# KiCad board mainboard_1.kicad_pcb (continued)
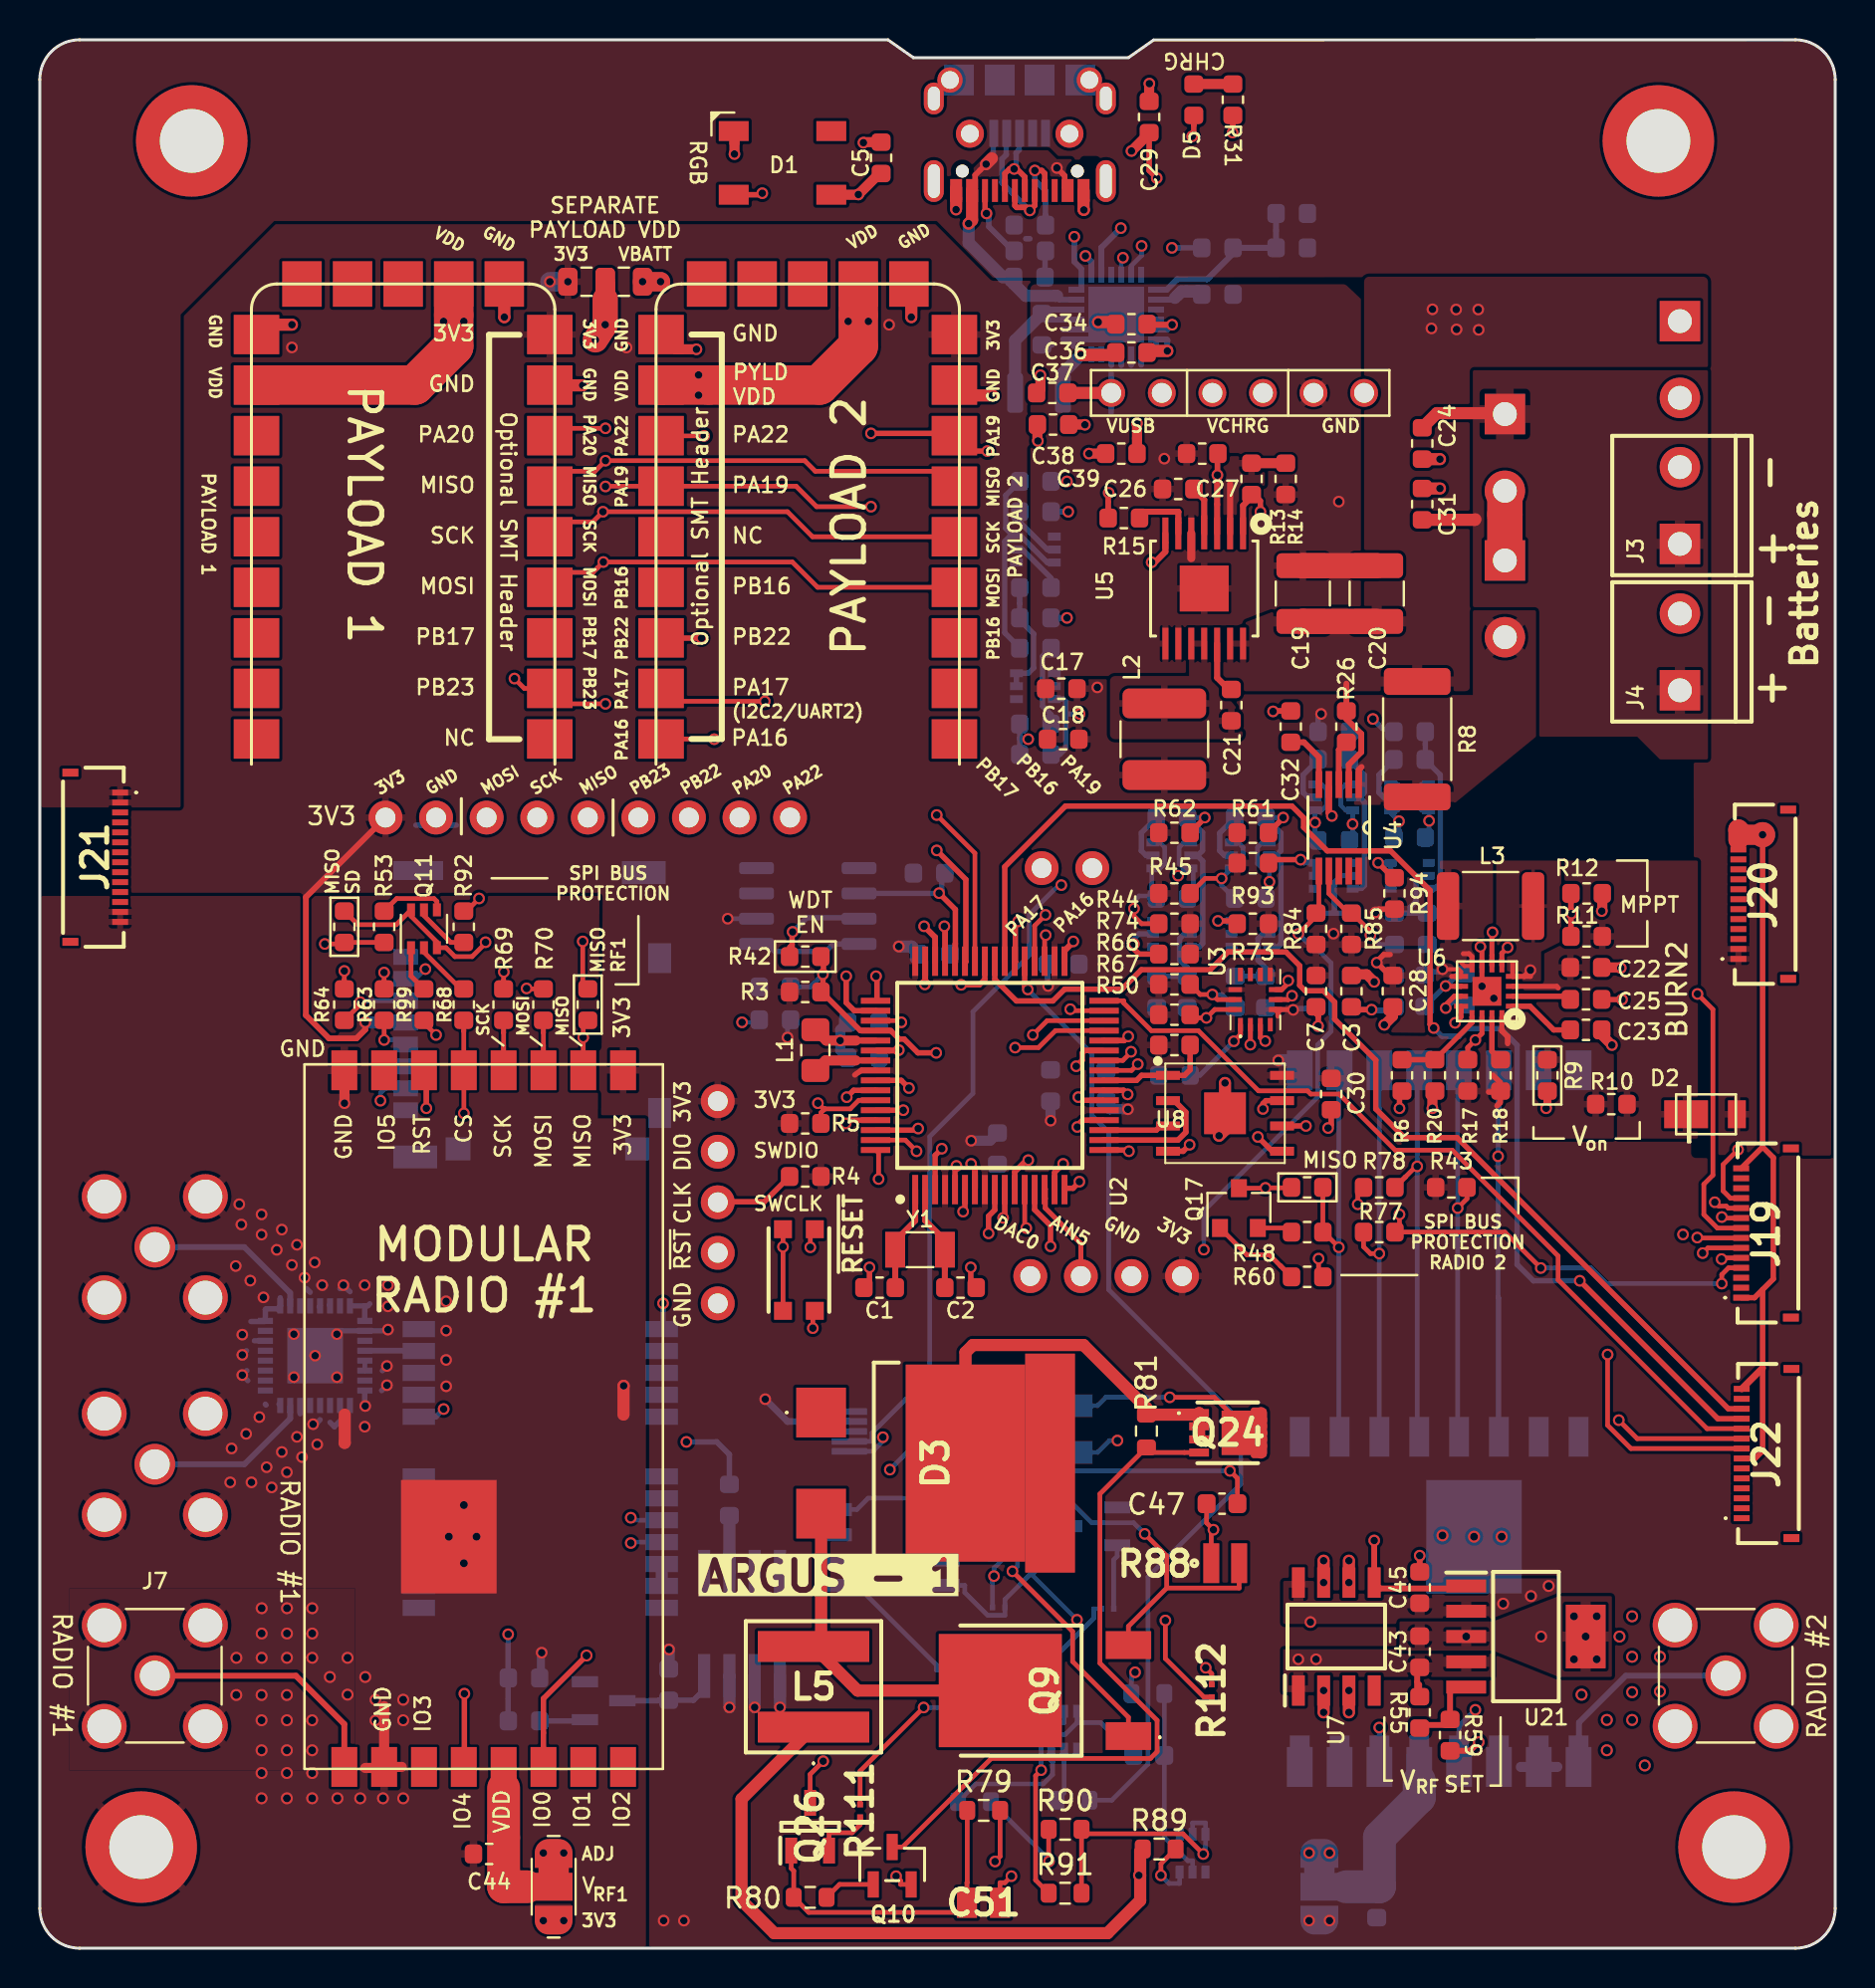
[diagram p0: board, top side]
## Routing (per net, layer and track width the routed paths; a pad name or vN(x,y) marks a point on that pad's centre or on a via; arc(x,y) is an arc through that point) (continued)
  Bottom w0.235: Q15.4 65.59,58.47 65.35,58.23 65.35,57.41 65.59,57.17 65.94,57.17 65.94,56.49 v1(65.93,56.48) 65.93,55.82 65.85,55.74 ; v1(55.34,85.53) 55.34,85.05 54.81,84.53 U17.5 ; R95.1 63.92,50.43 ; 63.92,50.43 64.85,49.5 64.85,46.07 64.18,45.39 64.18,42.76 58.46,37.05 v1(58.46,35.1) ; 63.92,50.43 63.74,50.43 v1(63.21,50.97) ; U18.6 41.83,24.96 42.34,25.48 v1(42.34,25.67) ; 65.85,55.74 R108.1 65.85,55.74
SD_CS: length 33.8
  Top w0.235: v1(22.06,52.74) 21.42,52.11 R92.2 21.29,52.11 ; v1(43.27,46.52) 43.19,46.6 U2.51
  Route15 w0.235: 20.15,49.82 31.97,49.82 v1(35.27,46.52) v1(43.27,46.52) ; 20.15,49.82 19.53,49.19 v1(19.36,49.19) ; 20.15,49.82 20.15,50.84 v1(22.06,52.74)
  Bottom w0.235: v1(19.36,49.19) 18.87,48.7 J1.2 ; v1(35.27,46.52) 36,46.52 36.07,46.58 ; 36.07,46.58 R51.1 36.07,46.58
SDA: length 39.1
  Top w0.235: R44.2 55.33,51.47 54.95,51.85 v1(54.95,52.24) ; 53.38,44.1 U2.25 54.83,44.1 v1(55.14,44.42)
  Route15 w0.235: v1(68.26,56.62) 68.26,56.62 65.78,54.14 61.3,54.14 60.35,53.19 58.95,53.19 57.68,54.46 56.29,54.46 54.95,53.12 v1(54.95,52.24) 56.73,50.46 56.73,46 v1(55.14,44.42)
  Bottom w0.235: 55.84,54.19 55.84,53.1 56.07,52.87 ; 55.84,54.19 Q8.1 56.26,54.25 56.5,54.49 56.5,55.31 56.26,55.55 Q8.3 ; 55.84,54.19 55.84,54.27 ; 68.14,55.97 68.26,56.09 v1(68.26,56.62) 67.85,57.04 67.85,57.17 68.19,57.17 68.43,57.41 68.43,58.23 68.19,58.47 Q16.3 ; 68.14,55.97 68.01,55.84 ; 68.14,55.97 68.01,55.84 ; 68.01,55.84 R109.2 ; 56.07,52.87 55.21,52.87 54.95,52.62 v1(54.95,52.24) ; 56.07,52.87 56.07,52.74 R98.2
SDA_IMU: length 16.2
  Top w0.235: U3.14 59.01,47.16 v1(58.59,46.74) 57.93,46.74 57.85,46.82 ; 57.85,46.82 R67.2 57.85,46.82
  Route15 w0.235: v1(57.17,53.89) 57.17,51.84 57.81,51.2 57.81,47.52 v1(58.59,46.74)
  Bottom w0.235: 57.79,52.89 57.93,53.03 57.93,54.13 Q8.6 57.5,54.25 ; 57.79,52.89 R98.1 57.79,52.89 ; 57.5,54.25 57.46,54.25 57.22,54.49 57.22,55.31 57.46,55.55 Q8.4 ; 57.5,54.25 57.53,54.25 v1(57.17,53.89) ; R76.1 57.65,47.26 58.16,46.74 v1(58.59,46.74)
SDA_PWR: length 109.3
  Top w0.235: U4.7 64.74,52.99 65.72,52.01 R85.2 65.9,52.01 66.83,51.08 v1(66.83,50.9)
  Route2 w0.235: v1(66.83,50.9) 63.62,54.1 62.44,54.1 61.17,55.37 52.41,55.37 51.74,54.7 51.74,53.85 v1(51.3,53.41)
  Route15 w0.235: v1(66.83,50.9) 67.4,50.9 69.77,53.28 v1(69.77,56.64) 69.77,61.29 62.7,68.36 62.7,72.56 60.16,75.1 57.75,75.1 56.98,75.86 54.44,75.86 51.6,78.7 51.6,81.16 54.4,83.96 v1(54.4,84.94)
  Bottom w0.235: U18.7 41.79,25.46 41.79,25.89 44.69,28.79 44.69,40.78 46.86,42.95 46.86,47.06 49.7,49.89 49.7,51.93 51.18,53.41 v1(51.3,53.41) ; v1(54.4,84.94) 54.31,84.85 U17.4 ; 69.77,56.53 v1(69.77,56.64) ; 69.77,56.53 69.77,55.96 69.61,55.79 R109.1 ; 69.77,56.53 69.75,56.5 ; 69.77,56.53 v1(69.77,56.64) ; v1(69.77,56.64) 69.77,57.15 69.75,57.17 69.4,57.17 69.16,57.41 69.16,58.23 69.4,58.47 Q16.4 ; R96.1 67.3,50.43 v1(66.83,50.9)
STAT: length 10.8
  Top w0.235: 57.96,91.6 D5.1
  Top w0.272: v1(57.87,91.03) 57.96,91.12 D5.1
  Route15 w0.272: v1(57.87,91.03) 57.24,91.03 55.54,89.33 55.54,87.67 v1(54.29,86.42)
  Bottom w0.3: v1(54.29,86.42) 53.31,85.44 U17.2
SWCLK: length 18
  Top w0.235: 37.66,38.77 R4.2 ; 42.04,43.6 U2.57 ; J2.3 34.12,37.48
  Top w0.272: v1(43.65,43.22) 43.26,43.6 42.04,43.6 ; 34.12,37.48 34.15,37.5 36.39,37.5 R4.2
  Route15 w0.235: 34.05,37.48 J2.3
  Route15 w0.272: v1(43.65,43.22) 37.91,37.48 J2.3
SWDIO: length 9.3
  Top w0.272: v1(40.53,42.76) 40.87,43.1 U2.58 42.04,43.1
  Route15 w0.235: 34.05,40.02 J2.2
  Route15 w0.272: J2.2 37.79,40.02 v1(40.53,42.76)
THM: length 10.7
  Bottom w0.235: 62.09,86.3 R46.2 ; 61.01,85.43 R35.2
  Bottom w0.3: U17.7 56.6,83.33 57.13,83.86 58.64,83.86 59.93,85.15 R34.2 R35.2 R46.2
TX: length 29.5
  Top w0.235: v1(44.03,40.04) 43.47,40.6 U2.63
  Route15 w0.235: v1(29.68,20.36) 35.27,25.95 35.27,29.5 44.03,38.27 v1(44.03,40.04)
  Bottom w0.235: 31.23,20.4 U14.21 29.72,20.4 v1(29.68,20.36)
USB_CC1: length 5.3
  Top w0.235: 50.47,88.74 50.47,88.74 J13.A5
  Top w0.279: 50.47,88.31 50.47,89.17 50.32,89.32 v1(49.97,89.32)
  Bottom w0.235: 50.51,87.09 R40.2
  Bottom w0.279: R40.2 50.51,88.3 49.97,88.84 v1(49.97,89.32)
USB_CC2: length 4.2
  Top w0.235: 47.47,87.77 47.47,87.77 J13.B5
  Top w0.272: v1(47.54,87.16) 47.47,87.23 47.47,88.31
  Bottom w0.235: R39.2 48.91,85.26
  Bottom w0.279: v1(47.54,87.16) 47.66,87.04 47.66,86.5 48.91,85.26
USB_D+: length 57
  Top w0.235: J13.A6 49.47,88.65 49.47,88.65 ; J13.B6 48.47,88.74 48.47,88.74
  Top w0.279: 48.47,88.31 48.47,89.17 48.7,89.4 v1(48.93,89.4) 49.07,89.4 49.47,89 49.47,88.31
  Top w0.293: v1(44.41,51.35) 44.96,50.79 U2.46 44.96,49.52
  Route15 w0.272: 49.06,89.4 v1(48.93,89.4) 48.93,88.4 49.92,88.4 51.96,86.37 v1(51.96,85.99)
  Route15 w0.293: 48.93,88.4 48.93,86.05 43.61,80.73 43.61,59.43 43.78,59.26 43.78,59.24 45.9,57.12 45.9,52.83 v1(44.41,51.35)
  Bottom w0.235: J11.3 49.19,91.17 49.19,91.06
  Bottom w0.279: 52.28,83.33 U17.24 52.28,83.33 ; 52.28,83.33 52.29,83.32 ; 52.28,83.33 52.31,83.33 52.31,84.38 51.96,84.73 v1(51.96,85.99) ; v1(48.93,89.4) 49.03,89.5 49.03,90.21 49.19,90.36 49.19,91.06
USB_D-: length 56.3
  Top w0.235: 49.97,87.94 49.97,87.94 J13.B7 ; 48.97,87.93 48.97,87.93 J13.A7
  Top w0.279: 48.97,88.31 48.97,87.55 49.06,87.46 49.57,87.46 v1(49.72,87.31) 49.97,87.56 49.97,88.31
  Top w0.293: v1(45.43,51.35) 45.46,51.31 U2.45 45.46,49.52
  Route15 w0.272: v1(52.51,85.03) 50.94,85.03 49.72,86.25 v1(49.72,87.31)
  Route15 w0.293: v1(45.43,51.35) 45.43,50.84 45.55,50.71 46.19,50.71 46.32,50.84 46.32,58.43 46.03,58.71 44.92,58.71 44.03,59.6 44.03,80.56 49.72,86.25
  Bottom w0.235: J11.2 48.54,91.17 48.54,91.1
  Bottom w0.279: 52.64,85.03 v1(52.51,85.03) ; v1(49.72,87.31) 49.43,87.6 48.32,88.71 48.32,89.9 48.54,90.11 48.54,91.1
  Bottom w0.3: v1(52.51,85.03) 52.81,84.73 U17.1
VCHRG: length 21
  Top w0.61: 73.58,77.08 73.53,77.13 70.17,77.13 C24.1 ; C31.1 72.07,71.77 72.1,71.79
  Route15 w0.235: J16.1 73.58,77.08
  Route15 w1.27: J14.4 62.9,79.61 67.38,79.61 69.99,77 73.5,77 73.58,77.08
WDT_WDI: length 10
  Top w0.235: U2.44 45.96,50.45 45.98,50.47
  Top w0.272: v1(45.16,53.01) 45.98,52.19 45.98,49.54 45.96,49.52
  Bottom w0.235: R7.2 45.3,54.01
  Bottom w0.272: 41.11,53 U1.6 45.15,53 v1(45.16,53.01) 45.3,53.15 45.3,54.01
~{CHRG}: length 32.4
  Top w0.235: 72.43,46.37 U6.P$14 ; 48.96,38.18 U2.11
  Top w0.25: U6.P$14 72.43,45.96 v1(72.1,45.63) 71.72,45.25 R17.1
  Top w0.279: v1(49.64,39.59) 49.55,39.59 48.96,39.01 48.96,38.18
  Route15 w0.272: v1(49.64,39.59) 51.28,37.96 58.85,37.96 60.3,39.41 65.97,39.41 67.68,41.12 70,41.12 72.1,43.22 v1(72.1,45.63)
~{RESET}: length 31.7
  Top w0.235: 41.62,46.1 U2.52 42.04,46.1 ; R42.1 39.36,49.82 ; 37.33,35.24 v1(37.32,35.24) 37.33,35.24 ; 37.33,35.24 SW1.A ; 37.33,35.24 SW1.A' ; 39.33,48.46 39.23,48.36 R3.2
  Top w0.272: 41.62,46.1 41.21,46.1 39.33,47.99 v1(39.33,48.93) 39.36,48.96 39.36,49.82 ; 42.04,46.1 42.74,46.1 43.16,45.68 43.41,45.68 44.1,44.99 v1(45.02,44.99)
  Route15 w0.235: 34.05,34.94 J2.4
  Route15 w0.272: v1(45.02,44.99) 45.02,42.94 v1(37.32,35.24) 37.02,34.94 J2.4
  Bottom w0.235: C4.2 38.7,48.3 v1(39.33,48.93) ; 37.33,35.24 v1(37.32,35.24)
Net-(D1-DIN): length 46.2
  Top w0.229: 46.96,49.52 U2.42 46.96,55.02 v1(45.05,56.93)
  Top w0.279: D1.4 36.21,88.1 v1(36.28,88.18)
  Route15 w0.279: v1(45.05,56.93) 42.25,56.93 39.33,59.86 39.33,82.33 36.28,85.38 v1(36.28,88.18)
Net-(D3-A_2): length 17.1
  Top w0.61: D3.3 39.24,15.54 L5.2 41.07,12.94 Q9.2
Net-(D3-K_2): length 20.4
  Top w0.61: 46.49,24.37 46.49,29.93 46.86,30.31 52.42,30.31 55.58,27.15 R81.1 58.15,26.81 Q24.1 Q24.2 Q24.3
Net-(D5-A): length 2
  Top w0.508: D5.2 R31.1 59.92,93.66
Net-(IC1-CS): length 28.2
  Top w0.235: 56.6,18.1 56.6,19.71 v1(55.49,20.82) ; 56.6,18.1 60.23,18.1 R88.2 ; 56.6,18.1 54.67,16.18 Q9.3
  Bottom w0.235: IC1.8 41.03,22.04 41.6,22.61 51.59,22.61 52.83,21.38 54.93,21.38 v1(55.49,20.82)
Net-(IC1-EXT): length 16.8
  Top w0.235: Q9.1 54.67,11.6 51.87,14.41 51.87,15.91 v1(48.85,18.94)
  Bottom w0.235: IC1.1 46.48,22.04 47.72,20.8 48.97,20.8 49.1,20.66 49.1,19.19 v1(48.85,18.94)
Net-(IC1-REF): length 7.6
  Bottom w0.235: IC1.5 41.03,18.23 45.03,14.23 45.03,13.97 C50.2
Net-(IC1-SHDN): length 22.4
  Top w0.235: R112.2 58.46,12.62 56.53,14.55 v1(56.53,16.47)
  Route15 w0.235: v1(56.53,16.47) 56.5,16.5 v1(52.09,16.5)
  Bottom w0.235: IC1.4 46.45,18.23 46.45,17.87 47.6,16.73 48.47,16.73 R106.2 48.47,17.52 49.72,18.76 49.83,18.76 ; 49.83,18.76 v1(52.09,16.5) ; 49.83,18.76 51.71,20.65 Q25.3
Net-(J5-In): length 8.7
  Bottom w0.235: 5.78,24.32 J5.1 ; 12.58,26.94 U13.15
  Bottom w0.293: 5.78,24.32 10.27,24.32 12.58,26.62 U13.15
Net-(J6-In): length 8.7
  Bottom w0.235: 12.58,32.6 U13.26
  Bottom w0.293: U13.26 12.58,32.92 10.27,35.23 J6.1
Net-(J14-Pin_1): length 6.3
  Top w0.508: C38.2 52.48,76.56 v1(52.49,76.54)
  Top w0.61: C37.2 J14.1
  Bottom w0.279: 53.81,79.13 J14.1 53.81,77.15 ; U17.16 53.81,79.8
  Bottom w0.3: 53.81,79.54 U17.16 ; U17.15 54.31,79.54
Net-(J14-Pin_3): length 3.8
  Top w0.235: 55.11,75.86 55.11,75.86 C39.2
  Top w0.508: v1(55.1,76.62) 55.11,76.62 C39.2
  Bottom w0.279: U17.13 55.31,79.88 ; U17.14 54.81,79.87
  Bottom w0.3: U17.14 54.81,79.55 ; U17.13 55.31,79.56
  Bottom w0.508: 55.1,76.6 v1(55.1,76.62)
Net-(J16-Pad2): length 5.5
  Top w0.235: J17.1 73.58,70.56 73.58,70.56 ; 73.58,72.03 73.58,72.03 J16.2
  Top w1.778: 73.58,73.22 73.58,69.72
Net-(Q1-D): length 5
  Bottom w0.235: 33.24,12.87 33.36,12.99 Q22.4 ; 31.59,12.46 R23.2
  Bottom w0.279: 33.24,12.87 32.83,12.46 31.08,12.46 31.05,12.44 Q1.3 29.26,12.44
Net-(Q1-G): length 2.3
  Bottom w0.235: 25.17,11.42 R22.2 ; 27.35,11.45 Q1.1
  Bottom w0.272: 27.38,11.48 27.31,11.42 25.17,11.42
Net-(Q2A-B1): length 7.1
  Bottom w0.235: 49.21,67.14 R30.2 ; 49.21,67.55 R110.2
  Bottom w0.272: R110.2 49.21,66.74 49.91,66.04 49.91,64.33 49.65,64.06 Q2.3 Q2.2
Net-(Q2B-B2): length 5
  Bottom w0.235: 50.79,61.74 50.79,61.74 R47.2
  Bottom w0.272: Q2.5 50.6,63.41 ; 50.6,63.41 50.36,63.17 50.36,62.41 50.79,61.98 R47.2 ; 50.6,63.41 50.36,63.65 50.36,64.92 50.76,65.32 C6.2
Net-(Q3A-B1): length 3
  Bottom w0.235: 50.79,68.6 R110.1
  Bottom w0.272: R110.1 50.79,68.84 49.36,70.27 Q3.2
Net-(Q3A-C1): length 12.7
  Bottom w0.235: 49.21,65.33 C6.1 ; 48.86,73.35 R49.2
  Bottom w0.272: 48.92,70.92 48.7,70.92 48.46,70.68 48.46,66.09 49.21,65.34 C6.1 ; 48.92,70.92 48.51,71.33 48.51,73 R49.2 ; 48.92,70.92 Q3.3 ; 48.92,70.92 Q3.3 ; Q3.3 49.3,70.92 49.85,70.37 50.6,69.62 Q3.6
Net-(Q3B-B2): length 3.1
  Bottom w0.235: 49.21,71.92 R52.1
  Bottom w0.272: R52.1 49.21,71.66 50.6,70.27 Q3.5
Net-(Q7A-B1): length 2.7
  Bottom w0.235: 60.01,56.79 R71.1
  Bottom w0.272: R71.1 60.01,56.78 59.26,56.03 59.26,55.14 59.5,54.9 Q7.2
Net-(Q8A-B1): length 2.7
  Bottom w0.235: 56.07,56.79 R72.1
  Bottom w0.272: R72.1 56.07,56.78 55.32,56.03 55.32,55.14 55.56,54.9 Q8.2
Net-(Q10-D): length 35.5
  Top w0.235: Q24.4 55.83,24.9 R81.2 53.24,22.82 53.24,14.32 56.11,11.45 56.11,9.87 55.78,9.53 47.78,9.53 43.33,5.08 Q10.3
Net-(Q10-G): length 2.6
  Top w0.235: Q10.1 40.16,3.2 R80.2
Net-(Q11A-B1): length 3.1
  Top w0.235: 19.29,50.27 19.29,50.16 ; 19.29,50.16 19.29,50.16 Q11.2 ; 19.29,50.16 19.29,50.05 21.14,48.2 21.29,48.2 R68.1
Net-(Q11A-E1): length 3
  Top w0.235: R99.1 19.29,48.2 18.64,48.85 18.64,49.62 ; 18.64,49.62 Q11.1 18.64,49.62
Net-(Q11B-B2): length 3
  Top w0.235: 19.29,52.17 19.29,52.03 ; 19.29,52.03 19.29,52.03 Q11.5 ; 19.29,52.03 19.29,51.88 20.64,50.53 R92.1
Net-(Q11B-E2): length 3.8
  Top w0.235: 17.61,52.42 17.92,52.74 19.8,52.74 19.94,52.59 Q11.4 ; 17.61,52.42 17.29,52.11 ; 17.61,52.42 R53.1
Net-(Q12A-D1): length 10.3
  Top w0.235: v1(62.45,56.81) 62.45,56.68 ; 62.03,56.36 R61.2
  Top w0.272: 62.45,56.68 62.34,56.68 R61.2
  Bottom w0.272: 62.09,54.9 62.33,55.14 62.33,56.03 61.56,56.81 R71.2 v1(62.45,56.81) ; 62.09,54.9 62.33,54.66 62.33,50.47 62.18,50.32 Q12.6 ; 62.09,54.9 Q7.5
Net-(Q12A-G2): length 2.4
  Top w0.235: 60.06,51.54 R73.2
  Top w0.272: v1(59.17,51.62) 59.99,51.62 R73.2
  Bottom w0.272: v1(59.17,51.62) 59.17,51.62 Q12.3 Q12.2
Net-(Q12B-G1): length 4.2
  Bottom w0.272: R75.2 C8.1 61.56,49.27 61.18,49.64 61.18,50.73 61.42,50.97 Q12.5
Net-(Q13A-D1): length 10.8
  Top w0.235: 58.09,56.36 R62.2 ; v1(58.51,56.81) 58.51,56.68
  Top w0.272: R62.2 58.41,56.68 58.51,56.68
  Bottom w0.235: 58.02,56.43 R72.2
  Bottom w0.272: 58.13,54.9 58.16,54.9 58.4,55.14 58.4,56.06 R72.2 v1(58.51,56.81) ; 58.13,54.9 58.41,54.62 58.41,50.48 58.24,50.32 Q13.6 ; 58.13,54.9 Q8.5
Net-(Q13A-G2): length 3.6
  Top w0.272: R74.2 55.21,49.95 54.95,50.2 v1(54.95,50.46)
  Bottom w0.272: v1(54.95,50.46) 54.95,50.71 55.21,50.97 Q13.2 Q13.3
Net-(Q13B-G1): length 4.2
  Bottom w0.272: Q13.5 57.48,50.97 57.24,50.73 57.24,49.64 57.62,49.27 R76.2 C40.1
Net-(Q14A-B1): length 12.6
  Top w0.235: v1(58.43,4.73) 57.41,5.75 52.32,5.75 ; R90.2 52.32,5.75 ; 52.32,5.75 R91.2
  Bottom w0.235: v1(58.43,4.73) 58.54,4.84 Q14.3 58.54,6.3 57.89,6.3 Q14.2
Net-(Q14B-B2): length 9.7
  Bottom w0.235: R100.2 C52.2 56.48,5.57 57.65,4.4 57.89,4.4 Q14.5
Net-(Q15A-B1): length 2.7
  Bottom w0.272: R86.1 64.22,59.73 63.45,58.95 63.45,58.06 63.69,57.82 Q15.2
Net-(Q15B-B2): length 10.4
  Bottom w0.235: 65.77,60.86 65.77,60.87 R82.2 ; R86.2 65.77,60.48 65.77,60.48
  Bottom w0.272: 65.77,61.25 65.77,59.7 66.52,58.95 66.52,58.06 66.28,57.82 ; 66.28,57.82 Q15.5 ; 66.28,57.82 66.52,57.58 66.52,53.39 66.38,53.25 65.95,53.25 Q18.6
Net-(Q16A-B1): length 2.7
  Bottom w0.235: 68.01,59.72 R87.1
  Bottom w0.272: R87.1 68.01,59.7 67.26,58.95 67.26,58.06 67.5,57.82 Q16.2
Net-(Q16B-B2): length 10.3
  Bottom w0.235: R87.2 69.58,60.48 69.58,60.48 ; R83.2 69.58,60.87 69.58,60.86
  Bottom w0.272: 70.09,57.82 70.33,58.06 70.33,58.95 69.58,59.7 69.58,61.25 ; 70.09,57.82 Q16.5 ; 70.09,57.82 70.33,57.58 70.33,53.5 70.07,53.24 Q19.6
Net-(Q17-B): length 5.4
  Top w0.235: Q17.1 60.62,34.84 61.76,34.84 62.31,34.28 ; 62.31,34.28 R60.1 ; 62.31,34.28 62.86,33.73
Net-(Q17-E): length 1.8
  Top w0.235: R48.1 62.66,36.19 Q17.2
Net-(Q18A-G2): length 3.1
  Top w0.272: R93.2 61.88,54.69 v1(63.32,54.69)
  Bottom w0.272: v1(63.32,54.69) 63.48,54.54 Q18.3 Q18.2
Net-(Q18B-G1): length 4.4
  Bottom w0.235: R95.2 64.11,51.99
  Bottom w0.272: 65.01,52.01 65.01,53.53 65.36,53.89 Q18.5 ; 65.01,52.01 64.12,52.01 64.1,51.98 ; 65.01,52.01 C41.1
Net-(Q19A-G2): length 2.4
  Top w0.272: v1(67.21,54.53) 67.96,53.78 R94.2
  Bottom w0.272: v1(67.21,54.53) 67.22,54.54 Q19.3 Q19.2
Net-(Q19B-G1): length 4.4
  Bottom w0.235: 69.56,52.01 C42.1
  Bottom w0.272: 67.91,52.01 R96.2 68.82,52.01 ; Q19.5 69.17,53.89 69.11,53.83 69.11,52.59 68.82,52.3 68.82,52.01 ; 68.82,52.01 69.56,52.01
Net-(Q23A-B1): length 10.1
  Top w0.235: 50.67,2.76 50.01,3.42 50.01,8.67 v1(50.29,8.95)
  Bottom w0.235: Q23.2 51.44,11.33 51.24,11.33 50.29,10.38 v1(50.29,8.95)
Net-(Q23A-C1): length 12.7
  Bottom w0.235: R102.2 47.01,8.25 50.4,8.25 50.87,8.72 50.87,9.36 50.79,9.43 Q23.6 50.79,10.28 51.25,10.74 51.5,10.74 52.09,11.33 ; Q23.3 52.09,11.33 ; 52.09,11.33 53.28,11.33 C52.1
Net-(Q23B-B2): length 2.7
  Bottom w0.235: Q23.5 51.44,7.81 R103.1
Net-(Q25-B): length 3.3
  Bottom w0.235: Q25.2 54.11,19.7 53.93,19.52 R105.2
Net-(Q26-B): length 3
  Top w0.235: Q26.2 39.64,5.8 40.8,5.8 41.2,6.2 R111.2
Net-(Q26-E): length 16.3
  Top w0.235: Q26.1 37.74,4.01 37.86,3.88 R80.1 38.62,1.8 46.06,1.8 46.56,2.3 ; C51.2 46.56,2.3 ; 46.56,2.3 46.56,3.29 46.58,3.31 R79.1
Net-(U1-~{MR}): length 5.5
  Bottom w0.272: U1.1 36.54,50.46 36.92,50.08 39.48,50.08 39.86,50.46 U1.8
Net-(U1-~{RESET}): length 5.6
  Top w0.235: R42.2 37.66,50.3 37.78,50.43
  Top w0.272: 37.78,49.82 37.78,51.04 v1(37.81,51.06)
  Bottom w0.272: U1.7 41.1,51.77 38.52,51.77 v1(37.81,51.06)
Net-(U2-PA07): length 19.6
  Top w0.235: 68.35,43 R6.2 ; U2.16 51.46,38.18
  Top w0.272: v1(52.21,38.51) 52.21,38.5 51.89,38.18 51.46,38.18 ; R6.2 68.29,42.94 v1(68.29,42.2)
  Route15 w0.272: v1(52.21,38.51) 58.84,38.51 60.13,39.81 65.23,39.81 67.63,42.2 v1(68.29,42.2)
Net-(U2-VDDCORE): length 5.9
  Top w0.293: U2.53 40.98,45.6
  Top w0.508: 40.98,45.6 v1(40.2,45.6) 39.5,45.6 L1.1
  Bottom w0.235: 40.39,44.93 C14.1 ; 40.39,46.33 C12.2
  Bottom w0.508: C14.1 40.2,45.12 v1(40.2,45.6) 40.2,46.14 C12.2
Net-(U2-VSW): length 3.2
  Top w0.293: U2.55 40.98,44.6
  Top w0.508: 40.98,44.6 39.46,44.6 L1.2
Net-(U3-SDO): length 3.9
  Top w0.25: v1(59.97,45.57) 60.3,45.9 U3.1
  Bottom w0.25: R41.1 58.26,43.86 v1(59.97,45.57)
Net-(U4-ON): length 2.3
  Top w0.293: R26.2 65.24,60.21 U4.3
Net-(U4-TIMER): length 3.1
  Top w0.293: C32.2 63.49,60.59 64.24,59.84 U4.5
Net-(U5-PG): length 3.7
  Top w0.235: 57.18,71.63 U5.6
  Top w0.305: R15.1 55.55,72.17 57.18,72.17 57.18,72.17 U5.6
Net-(U5-SS): length 3.3
  Top w0.235: 58.48,71.93 U5.4
  Top w0.305: C26.1 57.96,73.29 58.48,72.77 U5.4
Net-(U5-VBST): length 3.5
  Top w0.235: 59.13,64.69 U5.12
  Top w0.305: C21.2 59.72,63.25 59.13,63.83 U5.12
Net-(U5-VFB): length 4.1
  Top w0.305: U5.2 59.78,73.57
  Top w0.508: R14.2 60.99,74.61
Net-(U5-VREG5): length 13.7
  Top w0.235: R15.2 53.66,72.67 53.66,72.67 ; C27.1 59.17,74.73 59.14,74.7 ; 59.13,72.54 59.13,72.54 U5.3
  Top w0.279: v1(59.14,74.02) 59.14,75.39 59.17,75.41 ; 53.66,72.24 53.66,73.1 v1(53.68,73.13)
  Top w0.305: U5.3 59.13,74 v1(59.14,74.02)
  Route15 w0.279: v1(53.68,73.13) 54.57,74.02 v1(59.14,74.02)
Net-(U6-BOOST): length 3
  Top w0.25: U6.P$2 74.4,47.83
  Top w0.272: 74.4,47.83 76.72,47.83 C25.1
Net-(U6-CHGSNS): length 1.5
  Top w0.203: 71.4,49.5 71.41,49.49 71.41,49.49 71.55,49.35 71.9,49.35 U6.P$8
  Top w0.25: 71.5,49.97 71.78,49.97 71.93,49.82 U6.P$8
Net-(U6-FB): length 3.5
  Top w0.25: U6.P$10 70.6,48.33
  Top w0.272: 70.6,48.33 70.6,48.33 v1(70.6,48.35)
  Bottom w0.272: R19.2 70.58,48.35 v1(70.6,48.35) 71.22,48.96 R16.2
Net-(U6-FBG): length 2.4
  Top w0.25: v1(70.61,47.24) 70.61,47.4 71.04,47.83 U6.P$11
  Top w0.272: 70.61,47.28 v1(70.61,47.24)
  Bottom w0.235: R16.1 71.59,47.54
  Bottom w0.272: 71.59,47.54 70.91,47.54 v1(70.61,47.24)
Net-(U6-INTVCC): length 3.4
  Top w0.272: U6.P$1 74.85,47.33 76.03,46.14 C23.1
Net-(U6-MPPT): length 9.9
  Top w0.235: 72.93,49.88 U6.P$6 ; 76.9,52.5 R12.2 ; 76.9,51.27 R11.1
  Top w0.25: v1(72.96,51.04) 72.93,51.01 U6.P$6
  Top w0.279: 76.9,50.58 76.9,51.96 v1(76.92,51.98) 76.9,52.01 R12.2
  Route15 w0.25: v1(72.96,51.04) 73.9,51.98 v1(76.92,51.98)
Net-(U6-RUN): length 1.5
  Top w0.25: U6.P$16 73.43,46.09
  Top w0.279: 73.72,45.46 73.72,45.8 73.43,46.09 73.47,46.09
Net-(U6-SW): length 8.6
  Top w0.235: 78.45,47.67 C25.2
  Top w0.25: v1(74.86,49.14) 74.86,48.83 U6.P$4 73.97,48.83 73.97,49.52
  Top w0.272: v1(79.46,47.66) 78.45,47.66 C25.2 ; 74.55,48.83 v1(74.86,49.14)
  Route15 w0.279: v1(79.46,47.66) 77.99,49.14 v1(74.86,49.14)
Net-(U6-~FAULT): length 3
  Top w0.235: U6.P$15 72.93,46.43 72.93,46.43 ; R18.1 73.15,44.86 73.13,44.86
  Top w0.25: 72.93,46.08 U6.P$15
  Top w0.272: 73.34,44.66 72.93,45.06 72.93,46.08
Net-(U14-RSTN): length 18.2
  Route15 w0.279: v1(32.47,25.44) 21.93,25.44 v1(20.28,27.09)
  Bottom w0.235: 19.03,26.7 U14.8
  Bottom w0.279: v1(32.47,25.44) 34,25.44 34.63,24.8 R24.1 34.63,23.28 ; v1(20.28,27.09) 19.89,26.7 19.03,26.7
Net-(U17-BTST): length 3.4
  Top w0.235: 55.61,80.19 C36.2
  Top w0.61: C36.2 55.61,80.2 55.66,80.25 v1(56.63,80.25)
  Bottom w0.279: v1(56.63,80.25) 56.76,80.38 56.76,80.39
  Bottom w0.3: 56.58,80.83 56.63,80.78 v1(56.63,80.25) 56.21,80.25 56.06,80.4 U17.12 56.58,80.83
Net-(U17-ILIM): length 3.4
  Bottom w0.235: 57.18,83.08 57.01,82.92 57.01,82.84 ; 58.18,83.25 58.2,83.25 R36.2
  Bottom w0.279: 57,82.83 57.01,82.84
  Bottom w0.3: U17.8 57,82.83
  Bottom w0.61: 57.56,83.25 57.34,83.25 57.01,82.92 ; 57.56,83.25 58.13,83.25 ; 57.56,83.25 58.13,83.25 ; 58.13,83.25 58.18,83.25
Net-(U17-PMID_1): length 8.2
  Bottom w0.279: 50.53,82.33 C35.2 50.63,81.83
  Bottom w0.3: U17.22 50.53,82.33 ; U17.21 50.63,81.83
  Bottom w0.61: C35.2 48.98,80.78 L4.1
Net-(U17-SW_1): length 6.7
  Top w0.235: 53.91,80.05 C36.1
  Top w0.61: v1(52.29,80.05) 54.04,80.05
  Bottom w0.235: 53.04,80.3 U17.18 ; U17.18 52.78,80.05 52.67,80.05 ; U17.18 53.04,79.86 ; 52.54,80.05 v1(52.29,80.05) ; U17.17 53.31,80.16 53.17,80.3
  Bottom w0.272: 53.31,79.86 52.81,79.86 ; 53.31,80.3 52.81,80.3
  Bottom w0.61: L4.2 51.38,79.15 v1(52.29,80.05) ; 52.67,80.05 52.54,80.05
Net-(U18-ON): length 5
  Bottom w0.235: R65.2 48.58,25.96 U18.3
Net-(U18-TIMER): length 17.2
  Top w0.235: v1(59.77,23.98) 60.15,23.61 C47.2
  Bottom w0.235: U18.5 45.88,24.96 46.86,23.98 v1(59.77,23.98)
Net-(U21-SENSE/ADJ): length 4.2
  Top w0.293: U21.5 70.95,13.12 70.83,12.99 R59.1 70.83,11.34 70.7,11.21 69.46,11.21 R55.2

## Copper pours and planes (outline as drawn; the poured copper is in the pictures)
3.3V on Top: 88.17,0 2,0 1.69,0.02 1.38,0.1 1.09,0.22 0.82,0.38 0.59,0.59 0.38,0.82 0.22,1.09 0.1,1.38 0,2 0,93.88 0.02,94.2 0.1,94.5 0.22,94.79 0.38,95.06 0.59,95.3 0.82,95.5 1.09,95.67 1.38,95.79 2,95.88 42.6,95.88 43.87,94.99 54.67,94.99 55.94,95.88 88.17,95.88 88.48,95.86 88.79,95.79 89.08,95.67 89.35,95.5 89.58,95.3 89.79,95.06 89.95,94.79 90.07,94.5 90.17,93.88 90.17,2 90.15,1.69 90.07,1.38 89.95,1.09 89.79,0.82 89.58,0.59 89.35,0.38 89.08,0.22 88.79,0.1
GND on Top: 28.03,41.69 30.44,41.69 30.44,-0.09 -0.04,-0.09 0.04,52.87 28.11,52.87
GND on Top: 49.75,83.6 65.57,83.6 66.51,82.72 66.51,67.22 62.06,67.22 60.16,66.46 57.75,66.46 57.75,63.92 51.46,63.92 51.46,60.55 49.75,60.55
GND on Top: 72.99,14.95 68.29,14.95 68.29,16.42 72.99,16.42 76.29,17.69 78.96,17.69 78.96,13.63 76.29,13.63
GND on Top: 15.84,8.93 1.49,8.93 1.49,18.07 15.84,18.07
GND on Bottom: 2,95.88 42.6,95.88 43.87,94.99 54.67,94.99 55.94,95.88 88.17,95.88 88.48,95.86 88.79,95.79 89.08,95.67 89.35,95.5 89.58,95.3 89.79,95.06 89.95,94.79 90.07,94.5 90.17,93.88 90.17,2 90.15,1.69 90.07,1.38 89.95,1.09 89.79,0.82 89.58,0.59 89.35,0.38 89.08,0.22 88.79,0.1 88.17,0 2,0 1.69,0.02 1.38,0.1 1.09,0.22 0.82,0.38 0.59,0.59 0.38,0.82 0.22,1.09 0.1,1.38 0,2 0,93.88 0.02,94.2 0.1,94.5 0.22,94.79 0.38,95.06 0.59,95.3 0.82,95.5 1.09,95.67 1.38,95.79
GND on Bottom: 90.2,8.42 75.15,8.42 75.15,18.71 90.2,18.71
GND on Bottom: 8.95,35.55 32.22,35.55 32.22,3.98 11.26,3.95 11.26,19.04 8.95,19.04
GND on Bottom: 13.83,31.03 19.77,31.03 19.77,28.99 13.83,28.99 13.83,20.1 1.38,20.1 1.38,39.41 13.83,39.41
GND on Route2: -0.04,95.92 90.26,95.92 90.26,0.04 -0.04,0.04
GND on Route15: -0.04,40.42 10.73,40.42 21.49,34.71 21.49,27.85 20.03,27.47 19.52,26.2 10.73,19.53 -0.04,19.53
GND on Route15: 90.2,6.9 75.15,6.9 75.15,18.71 90.2,18.71
GNDREF on Bottom: 43.59,95.92 43.59,88.18 49.85,82.84 49.85,79.95 49.87,74.46 68.54,74.46 69.81,73.44 69.81,63.28 71.97,61.38 90.26,61.38 90.26,95.92
VBATT on Top: 83.78,66.84 71.84,66.84 71.84,63.16 59.78,63.16 59.14,63.67 59.14,66.08 62.45,67.35 66.51,67.35 66.51,83.99 83.78,83.99
VBATT on Top: 70.19,50.2 70.19,49.57 71.02,49.44 71.02,49.06 71.94,49.06 71.94,45.96 67.4,46.01 67.4,50.2
VBATT on Top: 62.45,18.45 64.1,18.45 64.1,17.82 72.73,17.82 72.73,18.58 76.16,18.58 76.16,17.56 72.99,16.29 62.45,16.29
VBATT on Route15: 53.56,90.46 52.03,90.46 50.89,92.37 47.59,92.37 46.7,90.72 44.92,90.72 44.92,95.03 53.56,95.03
VBATT on Route15: 84.42,53 74.13,53 70.95,49.31 70.95,48.3 66.76,48.3 66.76,50.2 70.83,53.25 70.83,65.19 60.67,75.48 55.84,76.62 55.84,81.7 64.1,81.7 64.1,83.6 84.42,83.6
VBATT_SENSE on Top: 75.15,60.87 70.95,57.44 66,57.44 66,62.97 71.97,62.97 71.97,67.22 75.15,67.22
VBUS_IN on Top: 51.08,89.89 53.49,89.89 53.49,88.05 46.63,88.05 46.63,89.19 47.78,90.34 50.63,90.34
/Power/V_RF on Top: 62.45,12.87 64.1,12.87 64.1,13.63 72.99,13.63 72.99,15.02 62.45,15.02
/Power/VCHRG_IN on Top: 83.27,54.65 83.27,40.68 79.08,40.68 78.83,45 76.8,45 74.51,47.28 74.51,48.89 72.99,48.89 72.99,54.65
GPS_PWR_IN on Bottom: 30.31,20.1 37.93,20.1 37.93,17.44 30.31,17.44
JETSON_PWR on Top: 88.28,40.33 88.19,30.42 83.14,30.38 83.23,33.93 83.22,34.06 83.22,40.42
VCHRG on Top: 83.78,79.29 83.78,59.73 81.37,59.73 80.23,60.87 75.15,60.87 75.15,65.7 71.97,66.97 71.97,79.29
VSOLAR on Top: 89.96,39.82 90.26,95.92 -0.04,95.92 -0.01,57.32 7.07,57.32 7.07,82.08 11.77,86.78 45.05,86.78 47.87,83.93 83.02,83.99 83.09,39.86 87.35,39.83 88.17,39.82
Net-(J14-Pin_1) on Bottom: 54.51,76.17 51.71,76.17 51.65,79.41 52.29,80.05 53.56,80.05 53.56,80.56 54.51,80.56
Net-(J14-Pin_3) on Bottom: 58.19,79.16 59.91,79.16 59.91,76.17 54.64,76.17 54.64,80.56 55.78,80.56
Net-(U5-SW1) on Top: 57.72,66.28 58.94,66.28 58.94,63.73 60.41,61.95 60.41,60.74 53.75,60.74 53.75,63.92 57.72,63.92
Net-(U5-VFB) on Top: 61.53,74.97 61.53,72.94 60.41,72.43 60.41,70.78 59.14,70.78 59.14,74.97
Net-(U6-CHGSNS) on Top: 72.99,49.82 72.99,54.65 70.32,54.65 70.32,49.27 72.22,49.25 72.22,49.82
Net-(U6-RUN) on Top: 73.37,44.11 73.11,44.11 73.11,47.16 74.64,47.16 76.54,45.5 79.05,45.5 79.05,40.68 73.34,40.68
Net-(U6-SW) on Top: 76.42,54.65 73.11,54.65 73.11,48.55 75.4,48.55 75.4,50.08 76.42,50.58

## Text on the board
B.Mask: HOLLIDAY
